# Altium PCB RF.PcbDoc (part 3 of 5) (continued)
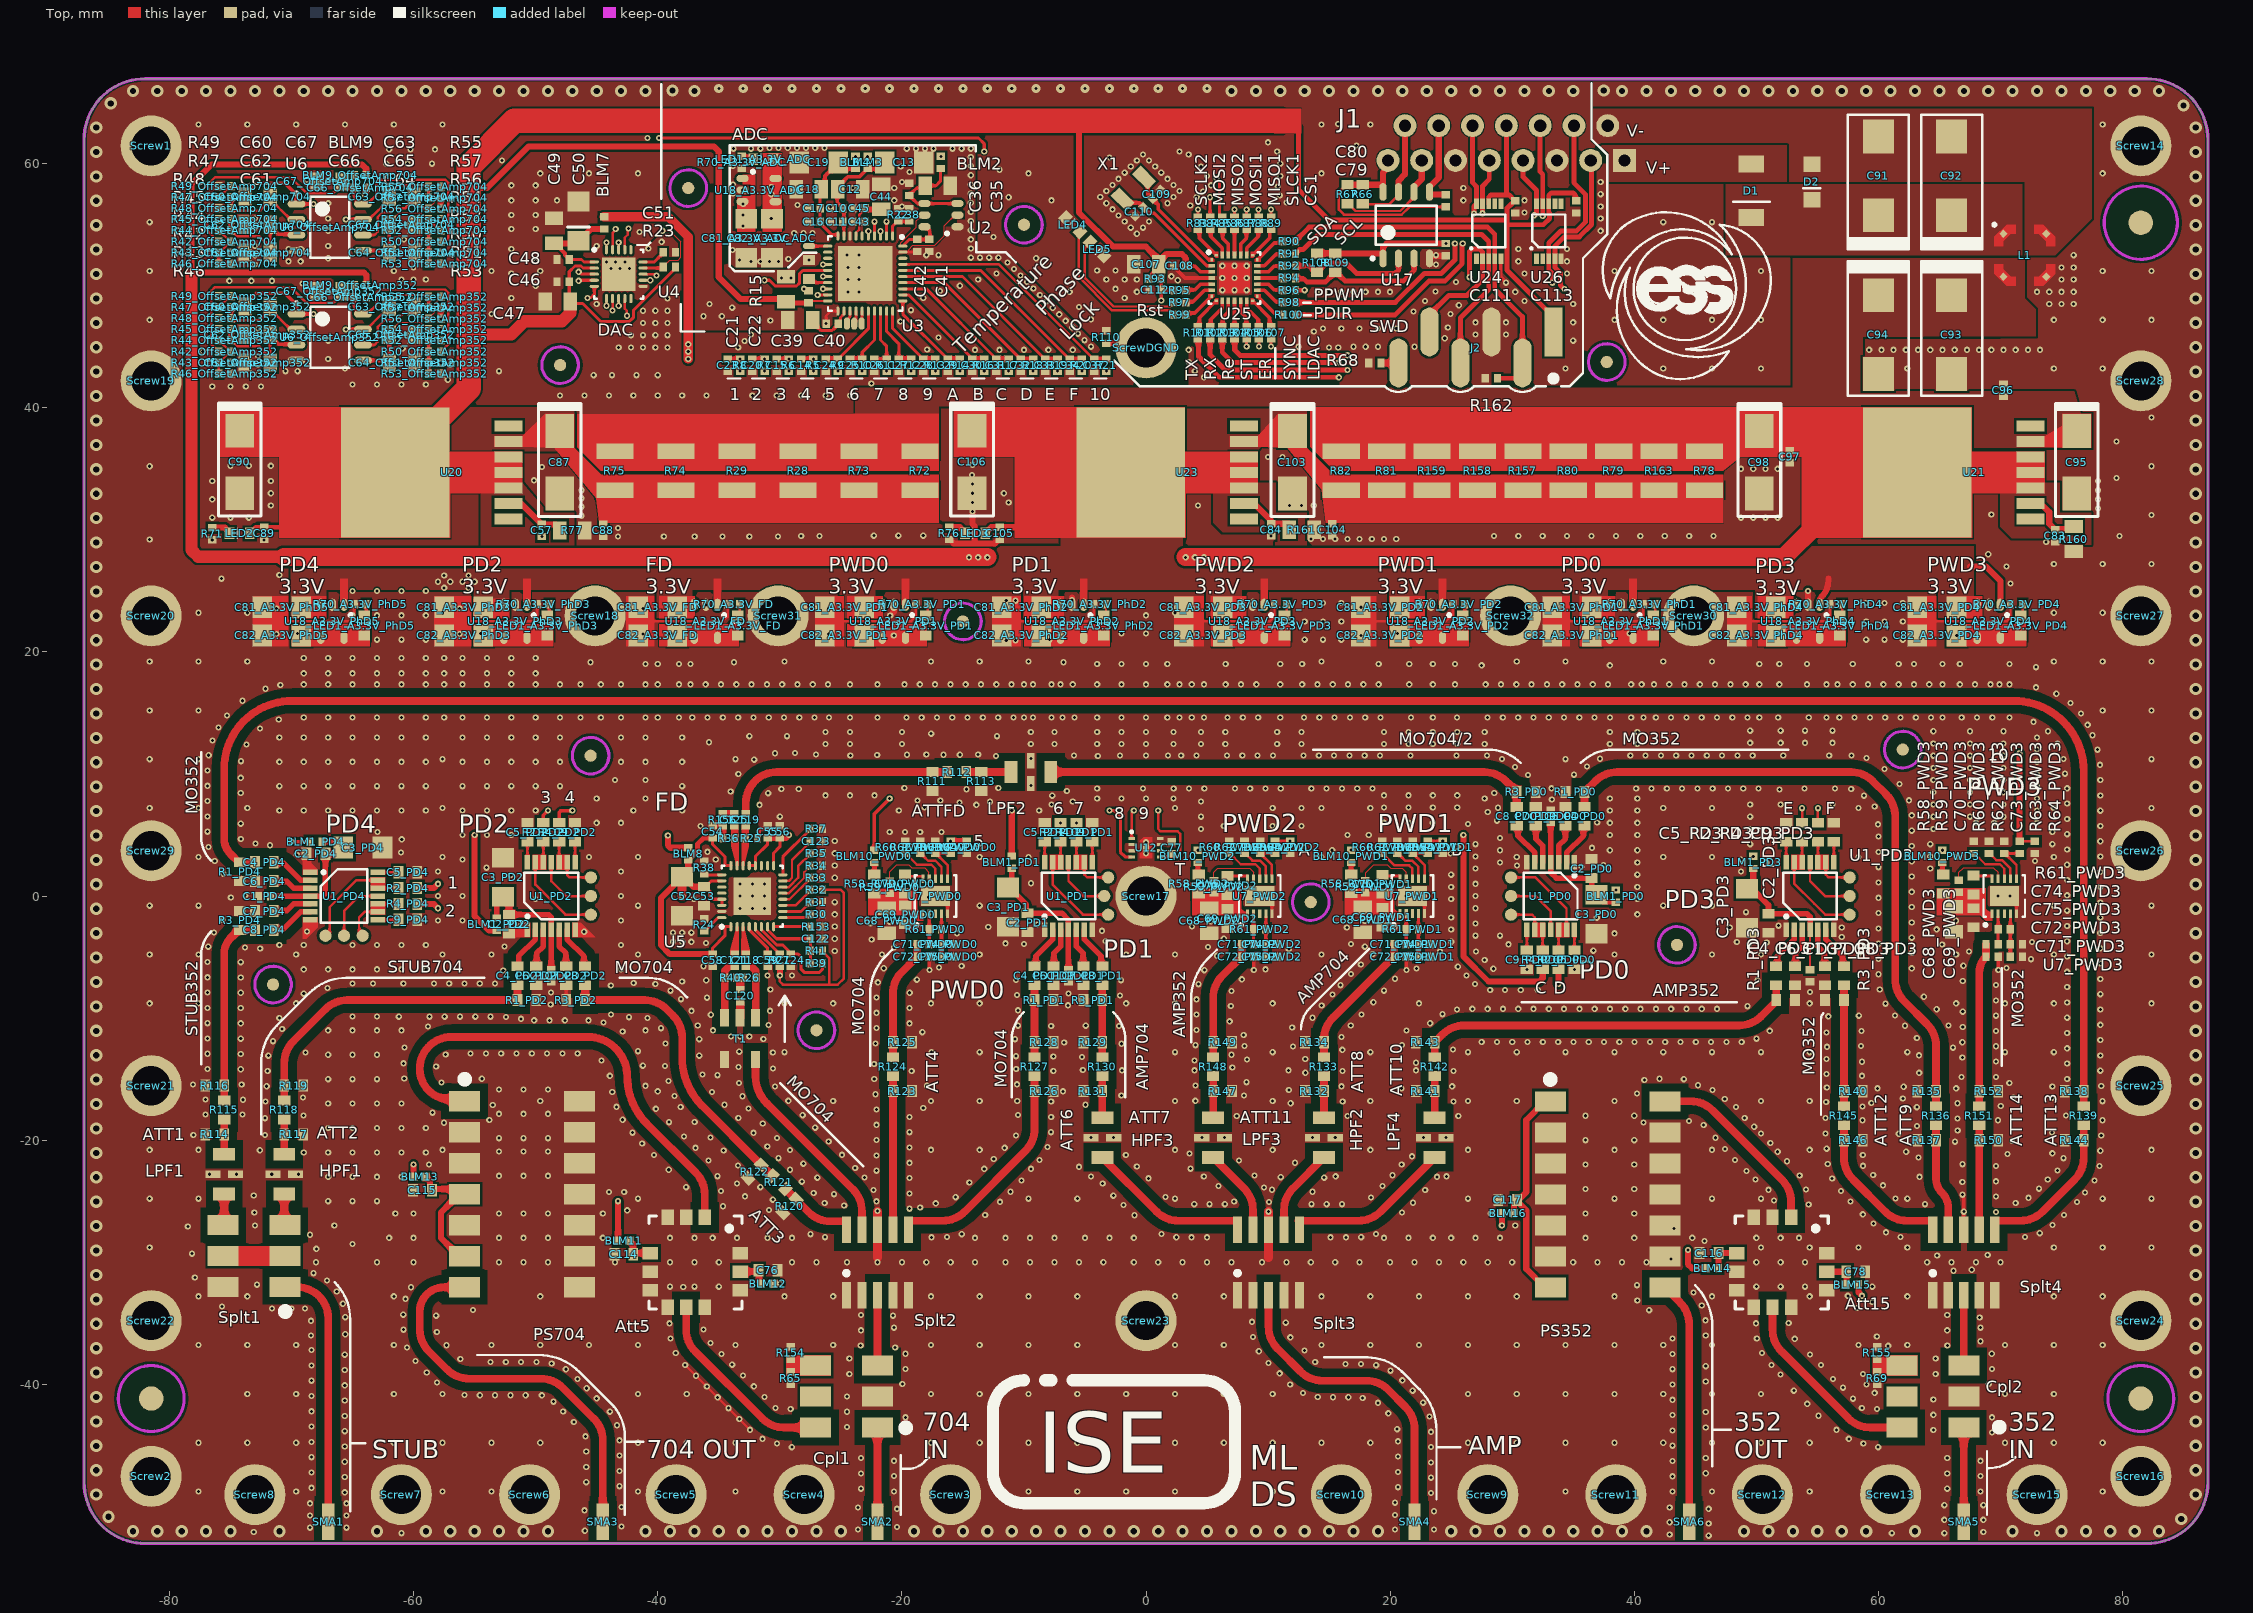
[diagram p0: Top view]
## Nets (pads, with @x,y where several pads share a name; then routed paths per layer and width w, separated by ;. In a path a pad name is that pad's centre, name@x,y a point inside that pad or via, vN(x,y) a via of type N, cw(c..) or ccw(c..) an arc to the next point about the centre after c; other vN are vias at no path point) (continued)
  other v1: 46.1,-52.4 42.9,-52.3 -61,-52.2 61.1,-52.2 65.4,-52.2 73,-52.2 -73.1,-52.1 68.6,-52.1 -45.975,-52 -23.6,-51.9 20.4,-51.9 23.6,-51.9 -68.5,-51.75 -65.5,-51.75 -20.4,-51.7 -42.975,-51.65 46.1,-51.4 42.9,-51.3 65.4,-51.1 68.6,-51.1 -68.5,-50.75 -65.5,-50.75 20.4,-50.7 23.6,-50.4 -46,-50.325 -20.4,-50.2 46.1,-50.2 -23.6,-50.1 42.9,-50.1 -42.975,-50.05 65.4,-49.9 68.6,-49.9 -68.5,-49.75 -65.5,-49.75 20.4,-49.7 23.359,-48.904 -65.641,-48.853 -77.625,-48.79 -69.625,-48.79 -57.625,-48.79 -53.625,-48.79 -41.625,-48.79 -33.625,-48.79 -20.641,-48.777 -9.625,-48.79 -5.625,-48.79 -1.625,-48.79 2.375,-48.79 6.375,-48.79 10.375,-48.79 34.375,-48.79 43.141,-48.789 46.375,-48.79 54.375,-48.79 68.359,-48.777 78.375,-48.79 -23.359,-48.553 65.641,-48.553 -68.359,-48.478 20.641,-48.432 -43.141,-48.349 -45.859,-48.019 23.359,-47.651 -65.641,-47.6 43.141,-47.536 -20.641,-47.524 68.359,-47.524 -23.359,-47.3 45.859,-47.287 65.641,-47.3 -68.359,-47.225 20.641,-47.179 -43.141,-47.096 -45.859,-46.766 23.359,-46.398 -65.641,-46.347 -20.641,-46.271 43.141,-46.283 68.359,-46.271 -23.359,-46.047 45.859,-46.034 65.641,-46.047 -68.359,-45.972 20.641,-45.926 -43.141,-45.843 -45.859,-45.513 -29.013,-45.15 23.359,-45.145 59.987,-45.15 -65.641,-45.094 43.141,-45.03 -30.23,-44.852 58.77,-44.852 -77.625,-44.79 -73.625,-44.79 -69.625,-44.79 -61.625,-44.79 -57.625,-44.79 -53.625,-44.79 -49.625,-44.79 -41.625,-44.79 -37.625,-44.79 -33.625,-44.79 -17.625,-44.79 -13.625,-44.79 -9.625,-44.79 -5.625,-44.79 -1.625,-44.79 2.375,-44.79 6.375,-44.79 10.375,-44.79 14.375,-44.79 18.375,-44.79 26.375,-44.79 30.375,-44.79 34.375,-44.79 38.375,-44.79 42.375,-44.79 46.375,-44.79 50.375,-44.79 54.375,-44.79 70.375,-44.79 74.375,-44.79 78.375,-44.79 -68.359,-44.719 20.641,-44.673 -43.139,-44.59 -31.423,-44.467 57.577,-44.467 -45.913,-44.261 -19.695,-43.959 69.305,-43.959 23.359,-43.892 -65.641,-43.841 43.141,-43.777 64.5,-43.75 56.566,-43.728 20.575,-43.675 45.859,-43.528 -24.5,-43.5 -68.359,-43.466 -43.346,-43.354 -46.875,-43.1 -33.32,-42.842 -19.696,-42.706 69.304,-42.706 23.222,-42.647 -65.641,-42.588 55.1,-42.575 43.141,-42.524 64.5,-42.5 19.85,-42.375 45.859,-42.275 -24.5,-42.25 -47.75,-42.225 -43.928,-42.244 -68.359,-42.213 -29.107,-42.016 59.893,-42.016 -34.206,-41.956 -30.358,-41.937 58.642,-41.937 54.175,-41.6 18.997,-41.519 22.709,-41.504 -48.55,-41.425 -65.641,-41.335 43.141,-41.271 64.5,-41.25 57.925,-41.175 -45,-41.15 17.75,-41.125 -35.092,-41.07 15.325,-41.059 16.578,-41.059 -31.244,-41.051 14.073,-41.035 -24.5,-41 -68.359,-40.96 -54.578,-40.899 -53.325,-40.899 -52.072,-40.899 -50.819,-40.899 -49.5,-40.9 -55.831,-40.875 -73.625,-40.79 -69.625,-40.79 -61.625,-40.79 -57.625,-40.79 -41.625,-40.79 -37.625,-40.79 -17.625,-40.79 -13.625,-40.79 -9.625,-40.79 -5.625,-40.79 -1.625,-40.79 2.375,-40.79 6.375,-40.79 10.375,-40.79 26.375,-40.79 30.375,-40.79 34.375,-40.79 38.375,-40.79 42.375,-40.79 46.375,-40.79 50.375,-40.79 70.375,-40.79 74.375,-40.79 12.861,-40.715 59.7,-40.7 21.85,-40.525 53.075,-40.525 -45.825,-40.325 57.1,-40.275 -35.978,-40.184 -32.13,-40.165 -65.641,-40.082 11.814,-40.026 43.141,-40.018 59.025,-40.025 -19.966,-39.975 69.034,-39.975 -58.089,-39.864 45.859,-39.769 -68.359,-39.707 20.997,-39.675 -46.573,-39.574 56.275,-39.575 -36.864,-39.298 -33.016,-39.279 51.975,-39.2 -24.305,-39.148 58.75,-39.15 64.695,-39.148 10.95,-39.1 -58.925,-39.025 20.024,-38.886 -65.641,-38.829 -47.534,-38.769 -19.695,-38.752 43.141,-38.765 69.305,-38.752 45.859,-38.516 -68.359,-38.454 18.857,-38.431 51.25,-38.412 55.3,-38.425 -33.902,-38.393 16.354,-38.341 17.607,-38.341 -48.692,-38.29 10.037,-38.259 -53.699,-38.181 -52.446,-38.181 -51.193,-38.181 -49.94,-38.181 13.859,-38.175 -59.858,-38.089 -56.177,-37.921 -24.305,-37.895 64.695,-37.895 -65.641,-37.576 54.4,-37.55 -34.788,-37.507 -19.713,-37.499 43.141,-37.512 69.287,-37.499 -38.527,-37.428 50.473,-37.428 9.241,-37.292 12.975,-37.225 -68.359,-37.201 -60.55,-36.975 -20.55,-36.975 60.8,-36.85 -23.375,-36.825 65.65,-36.825 -77.625,-36.79 -73.625,-36.79 -69.625,-36.79 -61.625,-36.79 -57.3,-36.8 -53.625,-36.79 -49.625,-36.79 -45.625,-36.79 -41.625,-36.79 -33.625,-36.79 -25.625,-36.79 -17.625,-36.79 -13.625,-36.79 -9.625,-36.79 -5.625,-36.79 2.375,-36.79 6.375,-36.79 14.375,-36.79 18.375,-36.79 22.375,-36.79 26.375,-36.79 30.375,-36.79 34.375,-36.79 38.375,-36.79 42.375,-36.79 46.375,-36.79 58.375,-36.79 62.375,-36.79 70.375,-36.79 74.375,-36.79 78.375,-36.79 -35.674,-36.621 68.375,-36.475 -38.96,-36.253 43.141,-36.259 50.04,-36.253 53.15,-36.275 8.776,-36.128 11.825,-36.15 59.875,-36.075 -68.4,-36 45.859,-36.01 -65.6,-35.9 -58.1,-35.725 -23.359,-35.575 65.641,-35.575 -60.825,-35.525 -36.25,-35.5 -20.641,-35.364 68.359,-35.364 -39.034,-35.002 49.966,-35.002 52.65,-34.975 11.45,-34.95 8.678,-34.879 -68.4,-34.8 45.838,-34.757 68.3,-34.525 -65.6,-34.5 -58.15,-34.375 -20.725,-34.375 -23.359,-34.322 65.641,-34.322 -60.85,-34.3 41.22,-33.926 -55.126,-33.91 -71.6,-33.8 -70,-33.8 -68.9,-33.8 58.25,-33.75 -75.7,-33.625 45.53,-33.543 -65.8,-33.4 59.5,-33.25 40.251,-33.132 -60.675,-33 -77.625,-32.79 -73.625,-32.79 -61.625,-32.79 -49.625,-32.79 -29.625,-32.79 -25.625,-32.79 -17.625,-32.79 -13.625,-32.79 -9.625,-32.79 -5.625,-32.79 2.375,-32.79 6.375,-32.79 14.375,-32.79 18.375,-32.79 22.375,-32.79 26.375,-32.79 30.375,-32.79 38.375,-32.79 46.375,-32.79 54.375,-32.79 62.375,-32.79 74.375,-32.79 78.375,-32.79 57.5,-32.75 44.852,-32.489 -66.3,-32.4 -60.225,-32.05 -37.909,-32.028 -39,-32 -37,-32 -35,-32 50,-32 52,-32 54,-32 59.5,-32 40.22,-31.879 -72.825,-31.839 -67.1,-31.5 -77.925,-31.25 -68.2,-30.9 66.149,-30.699 67.648,-30.615 -68,-30 -63,-30 -60,-30 -53,-30 -51,-30 -49,-30 -43.5,-30 -39,-30 -37,-30 -35,-30 -29,-30 -27,-30 -24.5,-30 -22,-30 -20,-30 -18,-30 -16,-30 -14,-30 -11.5,-30 -9.5,-30 -7.5,-30 -5.5,-30 -3.5,-30 -1,-30 1,-30 3,-30 5,-30 7,-30 9.5,-30 11.5,-30 13.5,-30 15.5,-30 17.5,-30 20,-30 22,-30 24,-30 26,-30 28,-30 30,-30 35,-30 37,-30 39,-30 41,-30 50,-30 52,-30 54,-30 64,-30 66,-30 68,-30 70,-30 43,-29.75 64.814,-29.45 68.954,-29.4 -78.15,-29.3 -67.975,-28.9 -81.625,-28.79 50.375,-28.79 54.375,-28.79 58.375,-28.79 62.375,-28.79 74.375,-28.79 78.375,-28.79 82.375,-28.79 -65,-28.5 45.75,-28.25 -62,-28 -60,-28 -53,-28 -51,-28 -49,-28 -44.5,-28 -39,-28 -37,-28 -35.5,-28 -33.5,-28 -31,-28 -29,-28 -14,-28 -11.5,-28 -9.5,-28 -7.5,-28 -5,-28 -3,-28 -1,-28 19.5,-28 21.5,-28 23.5,-28 25,-28 27,-28 29,-28 36,-28 40,-28 44.75,-28 50,-28 52,-28 53.5,-28 -26.3,-27.95 -17.563,-27.959 2.485,-27.951 3.738,-27.959 4.991,-27.959 15.122,-27.959 16.375,-27.959 17.628,-27.948 -16.311,-27.938 61.818,-27.922 72.006,-27.937 -68.5,-27.75 -27.475,-27.7 -15.096,-27.704 1.259,-27.692 18.851,-27.678 73.219,-27.623 60.621,-27.551 43.25,-27.25 -78.5,-27.075 -73,-27 -66.5,-27 30.25,-27 74.27,-26.94 59.6,-26.824 -0.95,-26.15 -13.175,-26.125 75.2,-26.125 58.725,-26.075 -61.5,-26 -60,-26 -53,-26 -51,-26 -49,-26 -44.5,-26 28.25,-26 36,-26 40,-26 -73.05,-25.925 20.975,-25.925 69.629,-25.878 -22,-25.8 -42.5,-25.75 -30.875,-25.725 -19.371,-25.612 -18.5,-25.525 -34.648,-25.411 -24.726,-25.359 -1.85,-25.3 54.292,-25.266 3.953,-25.241 5.206,-25.241 6.459,-25.241 13.549,-25.241 14.802,-25.241 16.055,-25.241 63.81,-25.241 -17.225,-25.175 -26.325,-25.15 71.25,-25.15 21.875,-25.125 10.067,-25.064 76.275,-25.075 -11.95,-25.05 -67,-25 -65,-25 -63,-25 -22.089,-25.008 7.225,-25.025 57.725,-25.025 51.45,-24.95 -30.575,-24.875 -81.625,-24.79 -77.625,-24.79 -41.625,-24.79 -9.625,-24.79 -5.625,-24.79 2.375,-24.79 26.375,-24.79 38.375,-24.79 46.375,-24.79 50.375,-24.79 61.395,-24.773 62.375,-24.79 78.375,-24.79 82.375,-24.79 72.3,-24.725 18.44,-24.703 -15.594,-24.672 1.59,-24.658 69.629,-24.625 -32.85,-24.6 -2.675,-24.55 -73.1,-24.525 66.9,-24.464 -25.55,-24.425 -19.371,-24.359 -27.225,-24.325 76.934,-24.288 -44,-24.25 -42.75,-24.25 -11.1,-24.225 13.65,-24.225 -34.807,-24.169 56.943,-24.165 -22.328,-24.076 10.327,-24.062 22.875,-24.075 51.004,-24.066 54.071,-24.032 36,-24 40,-24 73.15,-23.975 9.657,-23.88 -37.673,-23.854 -31.6,-23.85 5.95,-23.75 19.375,-23.75 60.375,-23.7 -33.5,-23.55 -3.55,-23.55 -14.475,-23.475 66.875,-23.428 -28.2,-23.4 69.629,-23.372 -10.2,-23.3 77.701,-23.298 49.925,-23.225 73.875,-23.225 0.2,-23.125 56.218,-23.143 -19.371,-23.106 -26.925,-23.075 14.6,-23.075 -23.058,-23.058 11.038,-23.031 -67,-23 -65,-23 -63,-23 -61,-23 23.85,-23 63.371,-23 4.737,-22.97 -35.095,-22.949 -4.501,-22.967 15.539,-22.962 24.614,-22.962 -53,-22.92 -51,-22.92 -49,-22.92 8.894,-22.886 20.2,-22.875 53.556,-22.89 59.575,-22.85 -76.705,-22.79 -74.495,-22.79 -71.625,-22.79 -69.415,-22.79 49.2,-22.525 -22.089,-22.502 74.675,-22.475 -39.1,-22.425 -29.175,-22.425 -13.25,-22.35 -9.425,-22.35 3.656,-22.338 -23.825,-22.275 -5.478,-22.182 -0.75,-22.15 69.629,-22.119 78.122,-22.118 58.752,-22.1 -33.425,-22.075 -58.75,-22 20.95,-22 36,-22 40,-22 66.9,-21.965 55.851,-21.945 -28.075,-21.925 -19.371,-21.853 12.2,-21.85 52.525,-21.725 -35.85,-21.675 7.625,-21.675 -8.731,-21.631 48.25,-21.625 -12.475,-21.55 -30.1,-21.475 75.175,-21.475 63.296,-21.427 21.8,-21.325 -22.089,-21.249 -40.3,-21.225 -1.65,-21.225 58.725,-21.225 -24.9,-21.2 70.575,-21.125 3.565,-21.088 74.25,-21.075 -69,-21 -67,-21 -65,-21 -63,-21 -61,-21 -59,-21 51.75,-20.95 62.275,-20.95 -53,-20.92 -51,-20.92 -49,-20.92 78.184,-20.866 -34.6,-20.85 -72.6,-20.825 -81.625,-20.79 -77.625,-20.79 -57.625,-20.79 -29.175,-20.8 -17.625,-20.79 -13.625,-20.79 2.375,-20.79 10.375,-20.79 18.375,-20.79 26.375,-20.79 38.375,-20.79 46.375,-20.79 54.375,-20.79 82.375,-20.79 47.425,-20.725 55.765,-20.695 -36.9,-20.625 -11.575,-20.625 -19.371,-20.6 -8.07,-20.566 -31.025,-20.525 -41.275,-20.275 51.15,-20.225 66.275,-20.125 -26,-20.1 70.95,-20.05 36,-20 40,-20 -22.089,-19.996 -53,-19.84 -51,-19.84 -49,-19.84 -30.225,-19.825 46.65,-19.8 -35.675,-19.775 -4.503,-19.79 -2.648,-19.79 4.573,-19.79 6.428,-19.79 13.648,-19.79 15.503,-19.79 22.723,-19.79 24.578,-19.79 -37.85,-19.7 -10.65,-19.625 78.26,-19.616 -78.05,-19.575 -72.175,-19.575 61.675,-19.475 50.375,-19.45 55.676,-19.445 -32.15,-19.4 -42.062,-19.384 74.225,-19.375 -19.371,-19.347 -7.782,-19.347 66.5,-19.209 -67,-19 -65,-19 -63,-19 -61,-19 -59,-19 -27.1,-18.975 49.825,-18.9 63.175,-18.85 -22.089,-18.743 45.688,-18.75 -31.4,-18.625 -57.509,-18.574 40.754,-18.558 -39.075,-18.525 -36.975,-18.5 44.477,-18.425 58.709,-18.366 69.804,-18.366 78.359,-18.367 -53.799,-18.336 -42.875,-18.325 66.475,-18.225 -72.175,-18.2 -33.4,-18.175 49.05,-18.175 55.664,-18.193 -19.371,-18.094 -7.766,-18.094 7.435,-18.027 16.51,-18.027 25.585,-18.027 36,-18 40,-18 -69.025,-17.975 75.381,-17.972 -28.125,-17.95 -10.484,-17.929 -74.009,-17.899 -77.046,-17.887 -53,-17.84 -51,-17.84 -49,-17.84 -58.448,-17.744 -22.089,-17.49 -40.16,-17.429 -32.575,-17.4 -18.25,-17.375 63.15,-17.3 -43.386,-17.269 -38.125,-17.275 48.325,-17.275 58.7,-17.25 70.025,-17.2 -53.52,-17.115 -34.525,-17.1 -4.95,-17.1 -67,-17 -65,-17 -63,-17 -61,-17 11.85,-16.975 66.475,-16.975 59.425,-16.95 55.725,-16.875 -72.135,-16.831 -7.766,-16.841 16.111,-16.839 25.186,-16.839 -10.55,-16.8 78.358,-16.805 -49.625,-16.79 -29.3,-16.775 -25.625,-16.79 -17.625,-16.79 -13.625,-16.79 2.375,-16.79 4.043,-16.779 10.375,-16.79 18.375,-16.79 26.375,-16.79 30.375,-16.79 38.375,-16.79 50.375,-16.79 54.375,-16.79 -77.055,-16.673 -73.985,-16.688 47.414,-16.632 62,-16.575 74.225,-16.525 -69.065,-16.513 71.075,-16.5 -33.05,-16.4 -38.625,-16.375 -2.025,-16.35 8.025,-16.35 -22.165,-16.239 40.22,-16.172 -43.729,-16.064 -35.55,-16.05 -40,-16 -6.8,-16 11.7,-15.9 46.405,-15.889 -53,-15.84 -51,-15.84 -49,-15.84 20.925,-15.775 59.925,-15.75 66.375,-15.75 55.775,-15.675 62.075,-15.625 -72.035,-15.582 -30.4,-15.6 16.01,-15.59 25.085,-15.59 74.25,-15.6 78.26,-15.556 -41,-15.55 -17.95,-15.55 4.045,-15.526 45.214,-15.501 -78.075,-15.45 -74.085,-15.439 -10.575,-15.425 -33.35,-15.325 70.725,-15.325 -57.725,-15.275 8.225,-15.25 -39.125,-15.15 40.822,-15.073 -67,-15 -65,-15 -63,-15 44.063,-15.005 -54.414,-14.968 -22.265,-14.99 42.071,-14.97 75.466,-14.978 -60.77,-14.955 66.8,-14.832 69.629,-14.813 -43.925,-14.725 58.65,-14.725 -35.1,-14.675 -36.325,-14.625 55.75,-14.575 13.05,-14.475 63.346,-14.482 -19.196,-14.341 -7.591,-14.341 16.109,-14.341 25.184,-14.341 -71.959,-14.332 78.184,-14.305 -1.975,-14.275 3.975,-14.275 11.675,-14.275 22.125,-14.275 -5.175,-14.25 -74.161,-14.189 -76.879,-14.173 -10.637,-14.175 -30.55,-14.125 7.075,-14.05 -33.375,-14 -58.15,-13.975 -39.4,-13.925 -41.225,-13.899 -22.266,-13.753 75.466,-13.725 -60.83,-13.703 22.122,-13.659 58.65,-13.575 69.629,-13.56 -44.6,-13.475 3.965,-13.466 8.275,-13.4 55.75,-13.35 13.045,-13.341 66.875,-13.229 -5.25,-13.175 -7.59,-13.144 -10.66,-13.117 -71.906,-13.08 -36.6,-13.075 63.325,-13.05 78.184,-13.052 -67,-13 -65,-13 -63,-13 7,-13 -57.375,-12.975 -74.161,-12.936 -76.879,-12.92 -55.331,-12.899 -54.078,-12.899 -52.825,-12.899 -51.572,-12.899 -50.319,-12.899 -49.066,-12.899 -47.813,-12.899 -46.56,-12.899 -68.858,-12.82 -30.575,-12.825 -29.625,-12.79 -13.625,-12.79 2.375,-12.79 10.375,-12.79 18.375,-12.79 26.375,-12.79 30.375,-12.79 34.375,-12.79 38.375,-12.79 42.375,-12.79 46.375,-12.79 50.375,-12.79 54.375,-12.79 62.375,-12.79 70.375,-12.79 74.375,-12.79 -17.575,-12.775 -33.325,-12.75 -41.627,-12.712 16.084,-12.598 25.156,-12.574 75.466,-12.472 66.125,-12.425 -60.75,-12.4 55.8,-12.35 12.05,-12.325 69.629,-12.307 8.075,-12.275 58.575,-12.275 4.065,-12.217 20.975,-12.2 -2,-12.1 -39.375,-12.075 -22.165,-12.071 -6.7,-12 66.875,-11.976 27.5,-11.959 28.753,-11.959 30.006,-11.959 31.259,-11.959 32.512,-11.959 33.765,-11.959 35.018,-11.959 36.271,-11.959 37.524,-11.959 38.777,-11.959 40.03,-11.959 41.283,-11.959 42.536,-11.959 43.789,-11.959 45.042,-11.959 46.295,-11.959 47.548,-11.959 48.801,-11.949 -71.514,-11.89 78.184,-11.799 -36.6,-11.725 -31.349,-11.72 -10.725,-11.725 -76.879,-11.667 -74.161,-11.683 50.026,-11.682 63.15,-11.625 16.025,-11.55 -34,-11.5 -33.25,-11.5 -32.5,-11.5 8,-11.375 75.466,-11.219 55.75,-11.175 -18.325,-11.15 -42.875,-11.1 51.102,-11.041 58.625,-11.05 69.629,-11.054 21.35,-11.025 -67,-10.997 -65,-11 -63,-11 -61,-11 -41,-11 -35.475,-11 4.141,-10.966 -70.766,-10.884 -39.725,-10.825 -22.089,-10.821 11.975,-10.775 66.911,-10.723 -58.814,-10.68 -7.766,-10.644 -2.216,-10.644 62.175,-10.625 -36.725,-10.6 -10.484,-10.618 -4.934,-10.618 16.775,-10.6 65.75,-10.6 -30.925,-10.575 78.184,-10.546 -74.161,-10.43 -19.371,-10.428 -76.879,-10.414 23.284,-10.42 -44.445,-10.364 6.859,-10.265 -50.12,-10.181 -48.867,-10.181 -47.614,-10.181 -45.684,-10.182 -51.2,-10.06 -71,-10 -40.85,-10 13.651,-9.97 75.466,-9.966 -42.35,-9.925 -52.443,-9.902 -65,-9.872 -63,-9.872 -61.214,-9.884 -58.708,-9.884 -57.455,-9.884 -56.202,-9.884 -54.949,-9.884 -53.696,-9.884 55.9,-9.85 58.4,-9.8 61.368,-9.79 69.629,-9.801 -35.65,-9.725 4.141,-9.713 -43.825,-9.7 17.65,-9.7 24.293,-9.677 -22.089,-9.568 66.911,-9.47 -37.225,-9.4 -30.8,-9.4 -10.495,-9.365 25.485,-9.29 78.184,-9.293 64.775,-9.275 26.737,-9.241 27.99,-9.241 29.243,-9.241 30.496,-9.241 31.749,-9.241 33.002,-9.241 34.255,-9.241 35.508,-9.241 36.761,-9.241 38.014,-9.241 39.267,-9.241 40.52,-9.241 41.773,-9.241 43.026,-9.241 44.279,-9.241 45.532,-9.241 46.785,-9.241 -74.161,-9.177 -76.879,-9.161 -19.371,-9.175 49.272,-9.026 6.95,-9 -6.4,-8.95 14.393,-8.96 -48.775,-8.875 60.574,-8.821 -81.625,-8.79 -77.625,-8.79 -69.625,-8.79 -29.625,-8.79 -25.625,-8.79 -17.625,-8.79 -13.625,-8.79 -1.625,-8.79 2.375,-8.79 10.375,-8.79 22.375,-8.79 54.375,-8.79 66.375,-8.79 70.375,-8.79 74.375,-8.79 82.375,-8.79 18.625,-8.7 75.466,-8.713 69.629,-8.548 -38.1,-8.45 4.141,-8.46 -35.975,-8.325 -22.089,-8.315 63.725,-8.25 -2.14,-8.14 -10.565,-8.114 15.275,-8.075 78.184,-8.04 -69,-8 -6.35,-7.975 -76.879,-7.908 -74.161,-7.924 -19.364,-7.922 -48.75,-7.9 54.4,-7.85 7.009,-7.768 -38.95,-7.75 19.5,-7.75 28.2,-7.7 29.4,-7.7 30.7,-7.7 32.1,-7.7 60.112,-7.656 -30.775,-7.65 -67.067,-7.528 75.466,-7.46 -43.843,-7.325 15.925,-7.3 69.629,-7.295 -40.2,-7.2 4.304,-7.218 26.957,-7.207 -65,-7.175 -63.329,-7.166 -60.848,-7.166 -58.342,-7.166 -57.089,-7.166 -55.836,-7.166 -54.583,-7.166 -53.33,-7.166 -41.975,-7.125 -21.973,-7.067 -38,-7 66.911,-6.964 -36.025,-6.9 -2.041,-6.891 50.09,-6.905 -18.775,-6.85 -10.656,-6.864 7.85,-6.825 20.4,-6.775 78.184,-6.787 -74.161,-6.671 -76.879,-6.655 -31,-6.5 -29,-6.5 26.25,-6.5 60.016,-6.407 16.8,-6.375 75.466,-6.207 -52.656,-6.11 4.775,-6.075 -69,-6 -67,-6 -65,-6 -63,-6 -61,-6 -59,-6 -43,-6 9.8,-6 31.2,-6 35.1,-6 28.457,-5.957 22.15,-5.925 -21.485,-5.913 62.734,-5.919 70.5,-5.9 -16.95,-5.85 25.543,-5.793 -36.25,-5.75 -15.1,-5.725 66.962,-5.712 17.6,-5.6 78.184,-5.534 -74.161,-5.418 -76.879,-5.402 27.75,-5.25 72.5,-5.175 60.016,-5.154 75.466,-4.954 5.825,-4.9 -81.625,-4.79 -77.625,-4.79 -69.625,-4.79 -57.625,-4.79 -53.625,-4.79 -41.625,-4.79 -21.625,-4.79 -13.625,-4.79 -1.625,-4.79 2.375,-4.79 14.375,-4.79 38.375,-4.79 46.375,-4.79 50.375,-4.79 58.375,-4.79 66.375,-4.79 74.375,-4.79 82.375,-4.79 18.575,-4.75 62.734,-4.666 27.043,-4.543 67.417,-4.545 24.075,-4.525 -25.5,-4.5 36.65,-4.475 11.7,-4.35 -72.571,-4.307 78.184,-4.281 -73.821,-4.212 -20.625,-4.2 5.075,-4.175 -76.827,-4.15 17.925,-4.15 -52.554,-4.125 -71,-4 -69,-4 -65,-4 -63,-4 -61,-4 -59,-4 -43,-4 65.225,-3.975 29.707,-3.957 49.4,-3.95 -10,-3.925 16.8,-3.925 60.016,-3.901 -11.5,-3.875 -36.05,-3.85 50.85,-3.8 48.4,-3.775 72.575,-3.775 -38.75,-3.75 -38,-3.75 -37.25,-3.75 25,-3.75 -3.3,-3.7 75.466,-3.701 -22.475,-3.55 -25.5,-3.5 6.375,-3.5 62.734,-3.413 57,-3.35 27,-3.25 29,-3.25 -15.475,-3.05 38.375,-3.05 78.184,-3.028 -76.362,-2.987 -38.75,-3 -38,-3 -37.25,-3 -46.025,-2.925 -68.725,-2.896 -3.6,-2.85 25,-2.75 64.775,-2.725 60.016,-2.648 16.45,-2.575 47.825,-2.575 57,-2.575 20.35,-2.55 -12.925,-2.525 -25.5,-2.5 3.775,-2.5 -51.275,-2.45 75.466,-2.448 51.825,-2.425 -8.9,-2.325 27,-2.25 -22.575,-2.225 62.734,-2.16 -21,-2.1 5.3,-2.075 17.925,-2.05 66.35,-2.025 -58,-2 -56,-2 -43,-2 -75.66,-1.949 36.925,-1.775 78.184,-1.775 25,-1.75 -25.5,-1.5 40.25,-1.5 60.016,-1.395 49.15,-1.325 75.466,-1.195 -33.254,-1.012 -32.254,-1.012 -31.254,-1.012 27,-1 62.734,-0.907 -81.625,-0.79 -77.625,-0.79 -41.625,-0.79 -13.625,-0.79 42.375,-0.79 46.375,-0.79 74.375,-0.79 82.375,-0.79 78.184,-0.522 -25.5,-0.5 -50.025,-0.25 -37.05,-0.25 25,-0.25 40.25,-0.25 60.016,-0.142 -74.975,-0.125 -17.8,-0.1 -16.8,-0.1 -33.254,-0.012 -32.254,-0.012 -31.254,-0.012 -58,0 -56,0 -43,0 8.8,0 9.8,0 21.3,0 22.3,0 27,0 69.8,0 70.8,0 -73.8,0.05 75.466,0.058 62.734,0.346 25,0.75 40.25,0.75 78.184,0.731 -33.254,0.988 -32.254,0.988 -31.254,0.988 27,1 -9.425,1.05 60.016,1.111 75.466,1.311 -25.5,1.5 62.734,1.599 -52.043,1.735 25,1.75 40.25,1.75 -75.602,1.832 -58,2 -43,2 48.75,2 78.184,1.984 27,2.25 64.25,2.25 -54.025,2.325 60.016,2.364 35.675,2.4 -25.5,2.5 30.4,2.5 37.475,2.55 75.466,2.564 29,2.75 40.25,2.75 62.734,2.852 -76.292,2.878 72.825,2.875 -56,3 -35.25,3 48.75,3 -77.625,3.21 -57.625,3.21 -45.625,3.21 -41.625,3.21 -13.625,3.21 -9.625,3.21 14.375,3.21 30.375,3.21 42.375,3.21 46.375,3.21 58.375,3.21 66.375,3.21 74.375,3.21 78.184,3.237 27,3.25 64.25,3.25 -69.575,3.375 24.95,3.475 -25.5,3.5 0,3.5 -61.025,3.575 -35.925,3.625 60.016,3.617 5.5,3.75 12.75,3.75 15.25,3.75 29,3.75 38,3.75 40.25,3.75 75.466,3.817 36.55,3.95 -76.803,4.022 62.734,4.105 -71.776,4.162 27,4.25 49.5,4.25 64.25,4.25 74.25,4.25 -72.955,4.31 0,4.4 -25.5,4.5 78.184,4.49 -60.975,4.65 -74.154,4.675 29,4.75 60.016,4.87 -56,5 -54,5 -52,5 16.5,5 18.25,5 38,5 40.25,5 75.466,5.07 -62.95,5.25 -21,5.25 -19.75,5.25 -18.5,5.25 -16.75,5.25 74.25,5.25 -76.879,5.273 62.734,5.358 4.5,5.5 49.5,5.5 64.5,5.5 -36.5,5.75 6.375,5.75 10.375,5.75 12.75,5.75 78.184,5.743 59.975,5.875 26.375,5.9 -74.161,5.928 -45,6 -43,6 19.5,6 21.5,6 23.5,6 38,6 40.25,6 68,6 69.5,6 73,6 36.966,6.021 28.75,6.175 75.466,6.323 -30,6.5 4.5,6.5 49.5,6.5 64.5,6.5 67.5,6.5 70.25,6.5 -76.879,6.526 62.733,6.611 28,6.875 -71,7 -69,7 -67,7 -65,7 -63,7 -61,7 -59,7 -56,7 -54,7 -52,7 -50,7 -42,7 -38,7 -20.25,7 -8.75,7 38,7 40.25,7 73,7 78.184,6.996 -81.625,7.21 -77.625,7.21 -73.625,7.21 -57.625,7.21 2.375,7.21 